# Altium PCB FLY_PCB1.PcbDoc (continued)
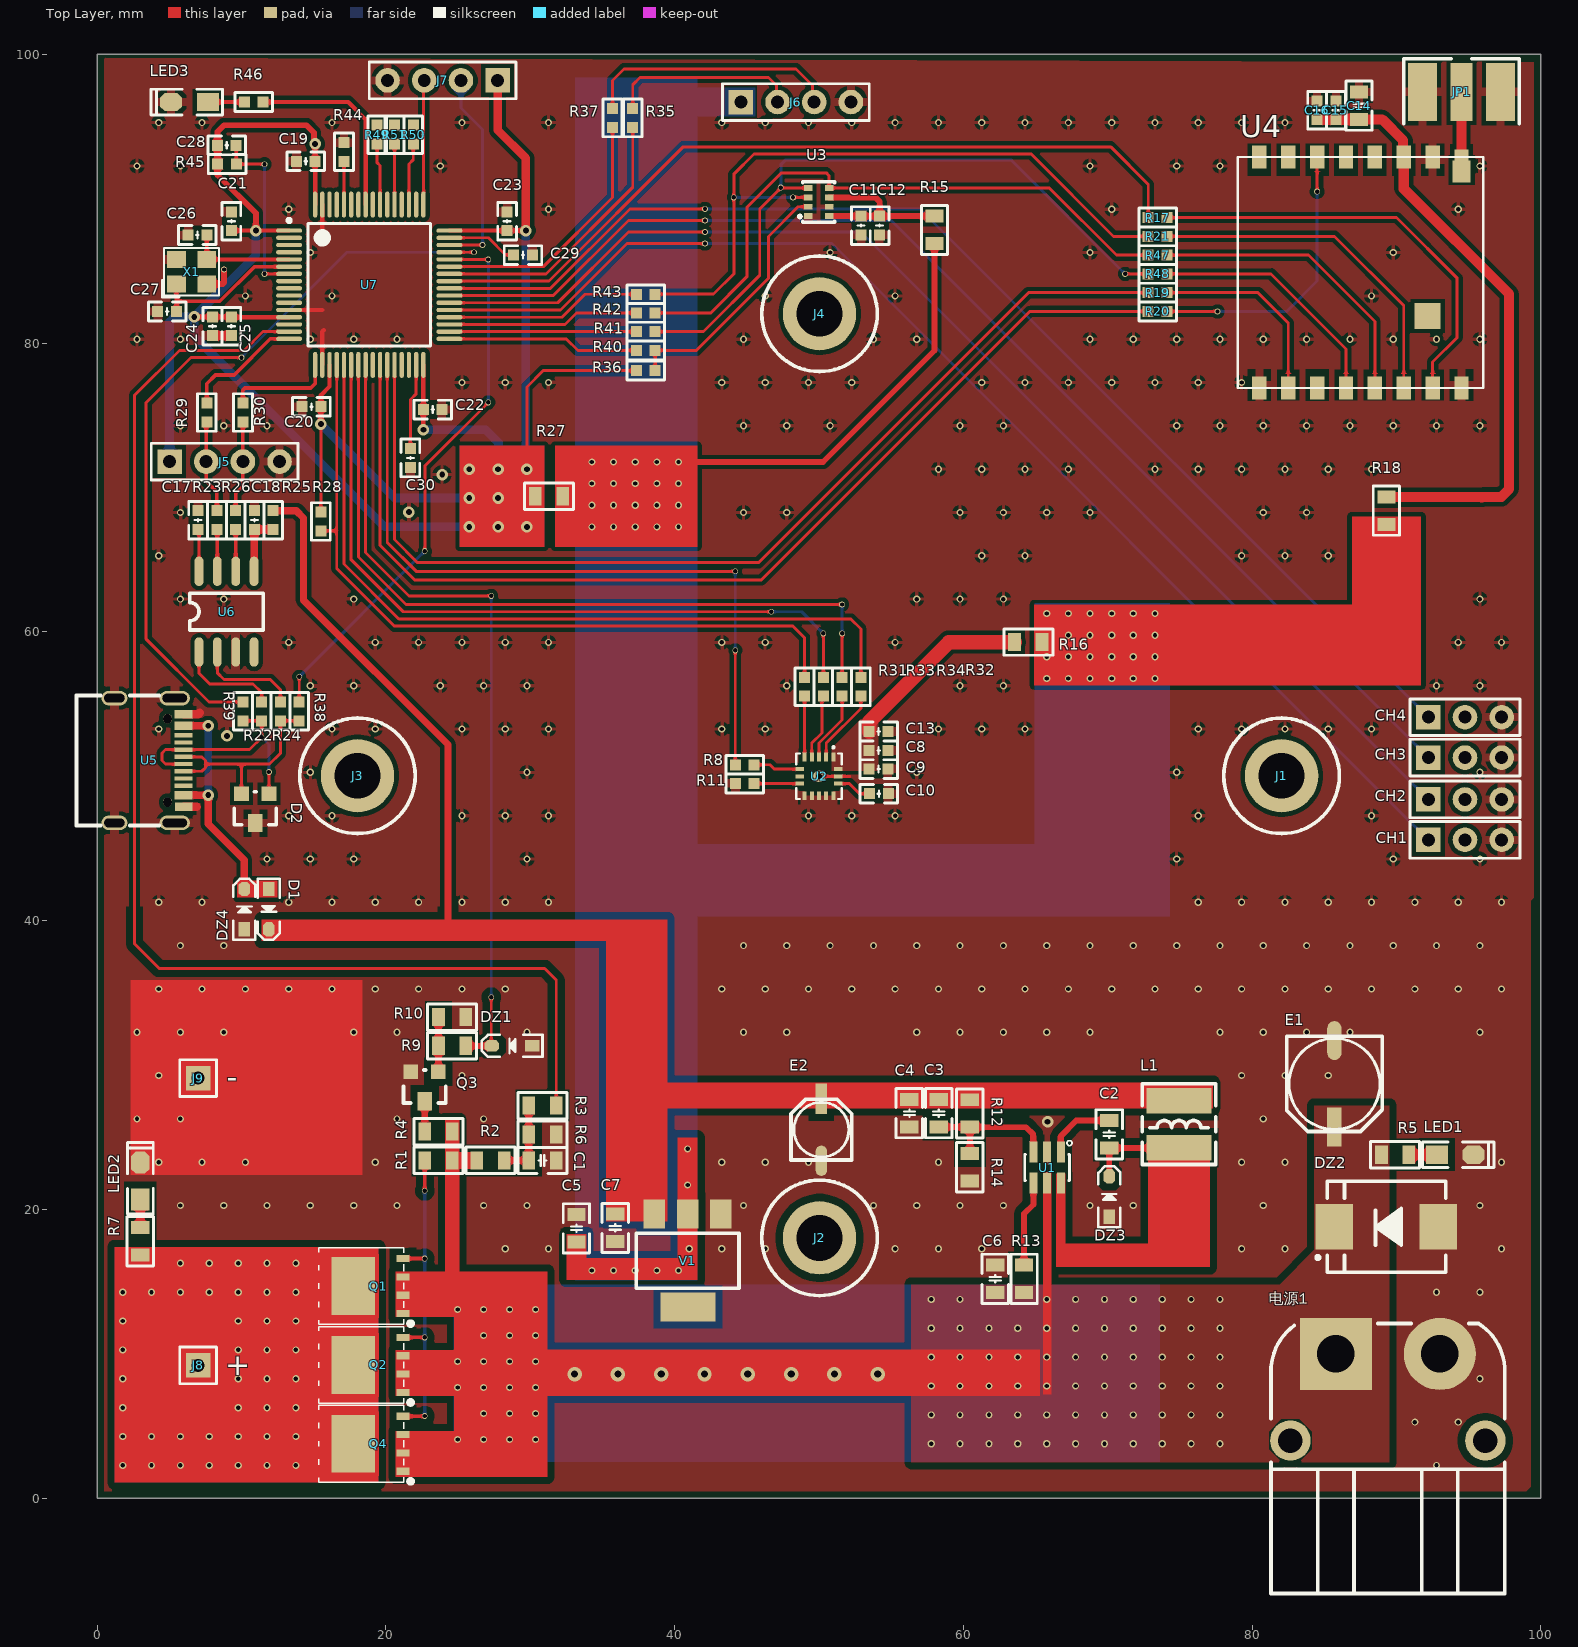
[diagram p0: Top Layer view]
## Footprints (in the part's own frame and the unit in brackets; to place one, negate y for a bottom-side part, rotate by r counter-clockwise, add the part's x,y. Pads: shape width x height; smd on the part's side, far side on the other; paste and mask are expansions set on the pad) (continued)
SMC [mm] "7.1x5.9*2.3mm（长宽高，不包括引脚）"
  rect 2.6x3.15 smd: 1(-3.6,0) 2(3.6,0)
  silkscreen extent -4.1,-3.15 4.87,3.15, body extent -3.95,-2.9 3.95,2.9, height 2.45
SOD-323 [mm] "1.8x1.3X0.9mm（长宽高，不包括引脚）"
  rect 1x0.8 smd: 1(-1.4,0)
  oct 1x0.8 smd: 2(1.4,0)
  silkscreen extent -2.11,-0.76 2.11,0.76, body extent -1.34,-0.63 1.31,0.67, height 1
SOP8 [mil] "（蒜米工坊）"
  oval 80x24 smd: 1(-1,-1) 2(-1,-51) 3(-1,-101) 4(-1,-151) 5(219,-151) 6(219,-101) 7(219,-51) 8(219,-1)
  silkscreen extent 59,-176 159,24, body extent -4,-174 234,24, height 63
SOT23-6 [mm] "SOT-23/SC-74A; 5 Leads; Body 3.1 x 3 mm, inc. leads (LxW max)"
  rect 0.55x1.45 smd: 1(0.95,1.075) 2(0,1.075) 3(-0.95,1.075) 4(-0.95,-1.075) 5(0,-1.075) 6(0.95,-1.075)
  silkscreen extent -1.55,-0.9 1.73,1.88, body extent -1.43,-1.2 1.49,1.14, height 1
SOT-23 [mil]
  rect 40x40 smd: 1(4.88,0.63) 2(79.88,0.63)
  rect 40x50 smd: 3(41.88,80.63)
  silkscreen extent -15,-4 100,86, body extent -15,-11 99,99, height 47
SOT-223 [mil]
  rect 59x79 smd: 1(-88,-130) 2(2.55,-130) 3(93.1,-130)
  rect 150x79 smd: ""(1.88,123.54)
  silkscreen extent -137,-78 143,72, body extent -126,-139 130,135, height 67
STM-LQFP64_N [mm] "Thin QFP, 64-Leads, Body 10x10mm, Pitch 0.5mm, IPC Medium Density"
  oval 1.8x0.3 smd: 1(-5.55,3.75) 2(-5.55,3.25) 3(-5.55,2.75) 4(-5.55,2.25) 5(-5.55,1.75) 6(-5.55,1.25) 7(-5.55,0.75) 8(-5.55,0.25) 9(-5.55,-0.25) 10(-5.55,-0.75) 11(-5.55,-1.25) 12(-5.55,-1.75) 13(-5.55,-2.25) 14(-5.55,-2.75) 15(-5.55,-3.25) 16(-5.55,-3.75) 33(5.55,-3.75) 34(5.55,-3.25) 35(5.55,-2.75) 36(5.55,-2.25) 37(5.55,-1.75) 38(5.55,-1.25) 39(5.55,-0.75) 40(5.55,-0.25) 41(5.55,0.25) 42(5.55,0.75) 43(5.55,1.25) 44(5.55,1.75) 45(5.55,2.25) 46(5.55,2.75) 47(5.55,3.25) 48(5.55,3.75)
  oval 0.3x1.8 smd: 17(-3.75,-5.55) 18(-3.25,-5.55) 19(-2.75,-5.55) 20(-2.25,-5.55) 21(-1.75,-5.55) 22(-1.25,-5.55) 23(-0.75,-5.55) 24(-0.25,-5.55) 25(0.25,-5.55) 26(0.75,-5.55) 27(1.25,-5.55) 28(1.75,-5.55) 29(2.25,-5.55) 30(2.75,-5.55) 31(3.25,-5.55) 32(3.75,-5.55) 49(3.75,5.55) 50(3.25,5.55) 51(2.75,5.55) 52(2.25,5.55) 53(1.75,5.55) 54(1.25,5.55) 55(0.75,5.55) 56(0.25,5.55) 57(-0.25,5.55) 58(-0.75,5.55) 59(-1.25,5.55) 60(-1.75,5.55) 61(-2.25,5.55) 62(-2.75,5.55) 63(-3.25,5.55) 64(-3.75,5.55)
  silkscreen extent -5.67,-4.25 4.25,4.57, body extent -5,-5 5,5, height 1.6
TDSON-8_L5.9-W5.2-P1.27-BL [mm]
  rect 0.5x0.9 smd paste-100 mask+0.05: 1(-1.905,-1.775) 2(-0.635,-1.775) 3(0.635,-1.775) 4(1.905,-1.775)
  rect 4x3 smd paste-100 mask+0.05: 5(0,1.651)
  Top Layer region: -2.205,-0.1 2.205,-0.1 2.205,4.45 1.605,4.45 1.605,3.65 0.935,3.65 0.935,4.45 0.335,4.45 0.335,3.65 -0.335,3.65 -0.335,4.45 -0.935,4.45 -0.935,3.65 -1.605,3.65 -1.605,4.45 -2.205,4.45
  silkscreen extent -2.75,-2.46 2.66,4.06
TX60PW-M20 [mm] "长：18.8mm， 宽：16mm，高：8.6mm"
  round 2.8 hole 1.7: 0(-6.75,-3) 0(6.75,-3)
  rect 5x5 hole 2.6: 1(-3.6,3)
  round 5 hole 2.6: 2(3.6,3)
  silkscreen extent -8.1,-13.6 8.1,5.1, body extent -8,-13.6 8,5.02, height 8.65
USB-C-SMD_G-SWITCH_GT-USB-7010ASV [mm]
  oval 1x2.1 hole 0.6 slot 1.7 at 90 deg paste-2539.97 mask+0.05: 1(-4.32,1.78) 2(4.32,1.78)
  oval 1x1.8 hole 0.6 slot 1.4 at 90 deg paste-2539.97 mask+0.05: 3(4.32,-2.4) 4(-4.32,-2.4)
  rect 0.6x1.24 smd paste-100 mask+0.05: A1B12(-3.2,2.4) A4B9(-2.4,2.4) B1A12(3.2,2.4) B4A9(2.4,2.4)
  rect 0.3x1.24 smd paste-100 mask+0.05: A5(-1.25,2.4) A6(-0.25,2.4) A7(0.25,2.4) A8(1.25,2.4) B5(1.75,2.4) B6(0.75,2.4) B7(-0.75,2.4) B8(-1.75,2.4)
  round 0.65 hole 0.65 unplated paste-2539.97: ""(-2.9,1.28) ""(2.89,1.28)
  silkscreen extent -4.5,-5.03 4.5,0.69

## Part data
C1 C2 C3 C4 C5 C6 C7 C8 C9 C10 C11 C12 C13 C14 C15 C16 C17 C18 C19 C20 C21 C22 C23 C24 C25 C26 C27 C28 C29 C30: library part C, "无极性贴片电容", BOM名称=无极性贴片电容, 学习资源=www.ooocke.com, 版权归属=源创客
CH1 CH2 CH3 CH4 J5 J6 J7 电源1: "Connector"
D1: library part SR540, "肖特基二极管                           电压:40V 电流:1A                 C7420331", BOM名称=整流二极管, 学习资源=www.ooocke.com, 属性="40V  5A", 版权归属=源创客
D2: "单向TVS 5V截止 峰值浪涌电流：4A@8/20us                        C239643", JLCPCB Part Class="Extended Part", Manufacturer=WILLSEMI(韦尔), Contributor=LCSC, Manufacturer Part=ESD5302F-3/TR, spicePre=D, spiceSymbolName=ESD5302F-3/TR, Supplier=LCSC, Supplier Part=C239643
DZ1 DZ4: library part 1N4106, "单向TVS 5V截止 峰值脉冲电流：17A              C502527", BOM名称=12V/0.5W稳压管, 学习资源=www.ooocke.com, 版权归属=源创客
DZ2: library part 1N4106, "TVS 15V截止 峰值浪涌电流：123A                   C438153", BOM名称=12V/0.5W稳压管, 学习资源=www.ooocke.com, 版权归属=源创客
DZ3: library part 1N5256, "电压:40V 电流:1A                                C7420331", BOM名称=30V/0.5W稳压管, 学习资源=www.ooocke.com, 版权归属=源创客
E1: library part C-CS, "JVJ50V47M6x8                        47uF ±20% 50V                            C46550421", BOM名称=直插固态电容, 学习资源=www.ooocke.com, 版权归属=源创客
E2: library part C-CS, "47uF ±20% 10V                           C48970978", BOM名称=直插固态电容, 学习资源=www.ooocke.com, 版权归属=源创客
J8 J9: library part CON1
JP1: library part SMA, "SMA-2.4G射频天线接口", BOM名称=SMA-2.4G射频天线接口, 学习资源=www.ooocke.com, 版权归属=源创客
L1: library part L-CD, "YP0402-6R8M                          C576569", BOM名称=功率电感, 学习资源=www.ooocke.com, 版权归属=源创客
LED1 LED2 LED3: library part LED-SMD, "贴片LED", BOM名称=贴片LED, 学习资源=www.ooocke.com, 版权归属=源创客
Q1 Q2 Q4: JLCPCB Part Class="Extended Part", Manufacturer=MSKSEMI(美森科), Contributor=lcsc, Manufacturer Part=AON6407-MS, spicePre=Q, spiceSymbolName=AON6407-MS, Supplier=LCSC, Supplier Part=C17702953
Q3: library part IRF840, "N沟场效应管", BOM名称=N沟场效应管, 学习资源=www.ooocke.com, 版权归属=源创客
R1 R2 R3 R4 R5 R6 R7 R8 R9 R10 R11 R12 R13 R14 R19 R20 R22 R23 R24 R25 R26 R28 R29 R30 R31 R32 R33 R34 R35 R36 R37 R38 R39 R40 R41 R42 R43 R44 R45 R46 R49 R50 R51: library part R, "贴片电阻", BOM名称=贴片电阻, 学习资源=www.ooocke.com, 版权归属=源创客
R15 R16 R18 R27: library part R, "磁珠", BOM名称=贴片电阻, 学习资源=www.ooocke.com, 版权归属=源创客
R17 R21 R47 R48: library part 普通电阻
U1: "ME3116AM6G / ME3116是一款内部集成了MOSFET的异步整流降压型稳压器,能够在4.75V至40V的输入电压范围内提供高达1A的负载能力。采用PWM控制模式,具有良好的瞬态响应和逐周期限流功能。在轻载条件下自动切换到PFM模式,保证较高的轻载效率。内置软启动和环路补偿,具有过热关断、输入欠压保护、BS欠压保护和短路保护。", JLCPCB Part Class="Extended Part", Manufacturer=MICRONE(南京微盟), Manufacturer Part=ME3116AM6G, spicePre=U, spiceSymbolName=ME3116, Supplier=LCSC, Supplier Part=C97643
U2: "六轴MEMS运动跟踪设备", JLCPCB Part Class="Extended Part", Manufacturer="TDK InvenSense(应美盛)", Contributor=LCSC, link=https://so.szlcsc.com/global.html?k=C97633&ref=editor, Manufacturer Part=ICM-20602, spicePre=U, spiceSymbolName=ICM-20602, Supplier=LCSC, Supplier Part=C97633
U3: JLCPCB Part Class="Extended Part", Manufacturer=Bosch(博世), Manufacturer Part=BMP280, spicePre=U, spiceSymbolName=BMP280, Supplier=LCSC, Supplier Part=C83291
U4: "发射功率:22dBm;接口类型:SPI;接收灵敏度:-140dBm;", JLCPCB Part Class="Extended Part", LCSC Part Name="两件套 LoRa 系列模块 两件套", Manufacturer=Ai-Thinker(安信可), Operating Temperature=-40℃~+85℃, Output Power=22dBm, Receive  Current=4.5mA, Send  Current=140mA, Voltage - Supply=3.3V, AddInBom=yes, Antenna Type=IPEX接口, ConvertToPcb=yes, Datasheet=https://item.szlcsc.com/datasheet/Ra-01S/770920.html, Device=Ra-01S, FootprintName=COMM-SMD_RA-01S, Interface Type=SPI, ManufacturerPart=Ra-01S, ModelId=bfb9ea955ff445c193018999188b6f80聨0819f05c4eef4c71ace90d822a990e87, ModelName=COMM-SMD_L17.0-W16.0-H3.2-RA-01S, ModelTransform=629.92,669.29,0,0,0,0,0.001,0,0, Modulation System=LoRa；OOK；MSK；GFSK；FSK；GMSK, Sensitivity=-140dBm, Supplier=LCSC, Supplier Footprint=SMD,17x16mm, SupplierPart=C724871, Symbol=RA-01S
U5: "Type-C 母 卧贴                板上16pin，有柱无弹，L7.35 CH1.68mm，3A电流                         C2988369", JLCPCB Part Class="Extended Part", Manufacturer=G-Switch(品赞), Contributor=lcsc, Manufacturer Part=GT-USB-7010ASV, spicePre=U, spiceSymbolName=GT-USB-7010ASV, Supplier=LCSC, Supplier Part=C2988369
U6: JLCPCB Part Class="Extended Part", Manufacturer=WCH(南京沁恒), Manufacturer Part=CH340N, Contributor=LCSC, spicePre=U, spiceSymbolName=CH340N_C2977777, Supplier=LCSC, Supplier Part=C2977777
U7: "ARM Cortex-M4 32-bit MCU+FPU, 210 DMIPS, 1024 kB Flash, 192 kB Internal RAM, 51 I/Os, 64-pin LQFP, -40 to 85 degC, Tray", I/Os (High Current)=51, Manufacturer=STMicroelectronics, Operating Frequency(F) (Processor speed) (MHz)=168, Supplier Part Number 1=497-11767-ND, Supply Voltage(Vcc) max (V)=3.6, Supply Voltage(Vcc) min (V)=1.8, ComponentLink1Description="Manufacturer URL", ComponentLink1URL=http://www.st.com/web/en/home.html, ComponentLink2Description=Datasheet, ComponentLink2URL=http://www.st.com/st-web-ui/static/active/en/resource/technical/document/datasheet/DM00037051.pdf, ComponentLink3Description="Package Specification", ComponentLink3URL=http://www.st.com/st-web-ui/static/active/en/resource/technical/document/datasheet/DM00037051.pdf, Core="ARM Cortex-M4", D/A Converter=2x12-bit, DatasheetVersion="Rev. 4", FLASH Size (Prog) (kB)=1024, Internal RAM Size (kB)=192, Mounting Technology="Surface Mount", PackageDescription="64-Pin Low Profile Quad Flat Package, 10 x 10 mm Body, 0.5 mm Pitch", PackageReference=LQFP64, PackageVersion="Rev. 4, 06/2013", Packing=Tray, PartNumber=STM32F405RGT6, Supplier 1=Digi-Key, Supplier 2=Farnell, Supplier 3=Newark, Supplier 4=Mouser, Supplier Part Number 2=2064363, Supplier Part Number 3=73T2329, Supplier Part Number 4=511-STM32F405RGT6
V1: library part AMS1117, "三端稳压芯片", BOM名称=稳压芯片, 学习资源=www.ooocke.com, 版权归属=源创客
X1: library part XTAL-4P, "X32258MOB4SI                        全国产 贴片金属 频点：8MHZ 负载：12PF 常温频差：±10PPM 工作温度：-40~85℃ 型号升级变更为：XL2EL89COI-111YLC-8M                                              C2682775", BOM名称=4脚无源晶振, 学习资源=www.ooocke.com, 版权归属=源创客

## Via types
v1: diameter 0.5, hole 0.3, Top Layer to Bottom Layer, 494 vias
v2: diameter 0.4, hole 0.3, Top Layer to Bottom Layer, 34 vias
v3: diameter 0.8, hole 0.4, Top Layer to Bottom Layer, 21 vias
v4: diameter 1, hole 0.5, Top Layer to Bottom Layer, 8 vias

## Nets (pads, with @x,y where several pads share a name; then routed paths per layer and width w, separated by ;. In a path a pad name is that pad's centre, name@x,y a point inside that pad or via, vN(x,y) a via of type N, cw(c..) or ccw(c..) an arc to the next point about the centre after c; other vN are vias at no path point)
3V3: C5.2 J6.1 R15.1 R16.1 R18.1 R27.1 V1.2 | length 28.3
  Top Layer w0.4: v1(40.271,71.777) 50.277,71.777 58,79.5 R15.1
  other v1: 34.271,15.777 35.771,15.777 37.271,15.777 38.771,15.777 40.271,15.777 41.021,17.277 40.9,21.7 40.9,24.2 65.771,56.777 67.271,56.777 68.771,56.777 70.271,56.777 71.771,56.777 73.271,56.777 65.771,58.277 67.271,58.277 68.771,58.277 70.271,58.277 71.771,58.277 73.271,58.277 67.271,59.777 68.771,59.777 70.271,59.777 71.771,59.777 73.271,59.777 65.771,61.277 67.271,61.277 68.771,61.277 70.271,61.277 71.771,61.277 73.271,61.277 34.271,67.277 35.771,67.277 37.271,67.277 38.771,67.277 40.271,67.277 34.271,68.777 35.771,68.777 37.271,68.777 38.771,68.777 40.271,68.777 34.271,70.277 35.771,70.277 37.271,70.277 38.771,70.277 40.271,70.277 34.271,71.777 35.771,71.777 37.271,71.777 38.771,71.777
3V3_BMP: C11.1 C12.1 R15.2 U3.6 U3.8 | length 11.9
  Top Layer w0.4: U3.8 C11.1 C12.1 ; U3.6 53.9,90.1 54.2,89.8 C12.1 ; R15.2 C12.1
3V3_ICM: C8.2 C9.2 C13.2 R16.2 U2.1 U2.16 | length 13
  Top Layer w1: C13.2 53.477,53.777 59,59.3 R16.2
3V3_Lora: C14.2 C15.2 C16.2 R18.2 U4.3 | length 42.5
  Top Layer w0.7: C16.2 84.511,95.489 87.389,95.489 C14.2 89,95.5 90.458,94.042 90.458,92.742 90.5,92.7 90.5,90.7 97.8,83.4 97.8,69.9 97.254,69.354 95.931,69.354 95.9,69.323 95.887,69.336 89.314,69.336 R18.2
3V3_MCU: C19.2 C20.2 C21.2 C22.2 C23.2 C24.2 C25.2 C28.1 J5.1 J7.1 R27.2 R28.2 R36.2 R45.2 U7.1 U7.13 U7.19 U7.32 U7.48 U7.64 | length 157.5
  Top Layer w0.2: R28.2 v3(15.5,74.4) ; v3@29.7,71.348 v3(29.771,71.277) 29.771,76.971 30.9,78.1 R36.2
  Top Layer w0.3: v3@6.7,81.8 v3(6.723,81.823) C24.2 C25.2 9.323,81.8 U7.13 ; C21.2 v3(11,87.8) U7.1 ; U7.64 C19.2 v3(15.1,93.8) ; v3(15.5,74.4) C20.2 15.5,76.4 16.1,77 U7.19 ; v3(22.6,74) C22.2 U7.32 ; U7.48 C23.2 v3(29.7,87.8)
  Top Layer w0.4: C28.1 8.337,94.637 8.8,95.1 14.5,95.1 15.023,94.577 15.023,93.877 v3(15.1,93.8) ; R45.2@8.344,92.407 C28.1@8.344,93.701 ; R45.2 8.35,91.65 11,89 v3(11,87.8)
  Top Layer w0.6: C28.1 C28.1@8.344,93.701 ; R45.2@8.344,92.407 R45.2 ; J7.1 27.74,94.76 29.7,92.8 v3(29.7,87.8)
  Bottom Layer w0.6: J5.1 5.02,81.471 5.371,81.823 v3(6.723,81.823) ; v3(11,87.8) 11,86.1 v3(6.723,81.823) ; v3(15.5,74.4) 20.623,69.277 v3(25.771,69.277) ; v3(22.6,74) 26.9,74 27.8,73.1 27.8,71.306 v3(27.771,71.277) ; v3@25.748,71.3 v3(25.771,71.277) ; v3(25.771,67.277) 19.923,67.277 6.723,80.477 v3(6.723,81.823) ; v3(29.7,87.8) 29.7,71.348 v3(29.771,71.277)
  other v3: 27.771,67.277 29.771,67.277 27.771,69.277
5V: C3.2 C4.2 C7.2 D1.2 E2.1 L1.2 R12.2 R25.2 V1.3 | length 34.8
  Top Layer w0.5: R25.2 13.8,68.4 14.3,67.9 14.3,62.2 24.3,52.2 24.3,39.5
12V: C6.2 DZ2.2 E1.1 Q1.1 Q1.2 Q1.3 Q2.1 Q2.2 Q2.3 Q4.1 Q4.2 Q4.3 R1.1 R2.2 R4.2 R5.1 R13.1 U1.5 电源1.1
  other v1: 57.771,3.777 59.771,3.777 61.771,3.777 63.771,3.777 65.771,3.777 67.771,3.777 69.771,3.777 71.771,3.777 73.771,3.777 75.771,3.777 77.771,3.777 24.971,4.077 26.771,4.077 28.571,4.077 30.371,4.077 57.771,5.777 59.771,5.777 61.771,5.777 63.771,5.777 65.771,5.777 67.771,5.777 69.771,5.777 71.771,5.777 73.771,5.777 75.771,5.777 77.771,5.777 26.771,5.877 28.571,5.877 30.371,5.877 24.971,7.677 26.771,7.677 28.571,7.677 30.371,7.677 57.771,7.777 59.771,7.777 61.771,7.777 63.771,7.777 65.771,7.777 67.771,7.777 69.771,7.777 71.771,7.777 73.771,7.777 75.771,7.777 77.771,7.777 24.971,9.477 26.771,9.477 28.571,9.477 30.371,9.477 57.771,9.777 59.771,9.777 61.771,9.777 63.771,9.777 65.771,9.777 67.771,9.777 69.771,9.777 71.771,9.777 73.771,9.777 75.771,9.777 77.771,9.777 26.771,11.277 28.571,11.277 30.371,11.277 57.771,11.777 59.771,11.777 61.771,11.777 63.771,11.777 65.771,11.777 67.771,11.777 69.771,11.777 71.771,11.777 73.771,11.777 75.771,11.777 77.771,11.777 24.971,13.077 26.771,13.077 28.571,13.077 30.371,13.077 57.771,13.777 59.771,13.777 65.771,13.777 67.771,13.777 69.771,13.777 71.771,13.777 73.771,13.777 75.771,13.777 77.771,13.777
  other v4: 33.071,8.602 36.071,8.602 39.071,8.602 42.071,8.602 45.071,8.602 48.071,8.602 51.071,8.602 54.071,8.602
12V_ADC: R3.2 U7.15 | length 89.5
  Top Layer w0.2: U7.15 11.5,80.8 10.2,79.5 5.7,79.5 2.6,76.4 2.6,38.4 4.3,36.7 31,36.7 31.8,35.9 31.8,35.7 R3.2
12V_COM: Q1.4 Q2.4 Q4.4 R1.2 | length 22.2
  Top Layer w0.254: Q4.4 22.681,5.681 v2(22.7,5.7) ; Q2.4 v2@22.658,11.142 ; Q1.4 22.697,16.603 v2(22.7,16.6) ; v2(22.7,21.3) R1.2
  Bottom Layer w0.254: v2(22.7,5.7) v2(22.7,11.142) v2(22.7,16.6) v2(22.7,21.3)
AUX: U7.25
BMP_CS: R36.1 R40.2 U3.2 | length 17.8
  Top Layer w0.2: R36.1 R40.2 41.5,79.5 46.5,84.5 46.5,87.4 48.55,89.45 U3.2
BUSY: R19.1 U7.28 | length 72.7
  Top Layer w0.2: U7.28 20.6,66.4 22.2,64.8 45.8,64.8 64.5,83.5 R19.1
DIO1: R20.1 U7.26 | length 74.4
  Top Layer w0.2: U7.26 19.6,66 22,63.6 46,63.6 64.6,82.2 R20.1
DN: D2.2 R24.1 R38.2 U5.A6 U5.B6 | length 14.8
  Top Layer w0.2: U5.B6 7.25,50.35 7.5,50.6 7.5,50.85 ; U5.A6 7.25,51.35 7.5,51.1 7.5,50.85 ; D2.2 10,50.85 ; R24.1 12.7,51.6 11.95,50.85 10,50.85 ; R24.1 R38.2 ; 7.5,50.85 10,50.85
DP: D2.1 R22.1 R39.2 U5.A7 U5.B7 | length 16
  Top Layer w0.2: U5.A7 4.75,50.85 4.5,51.1 4.5,51.6 4.75,51.85 U5.B7 10.55,51.85 v2(11.4,52.7) R22.1 ; R39.2 R22.1 ; v2(11.9,50.3) 11.905,50.295 D2.1
  Bottom Layer w0.2: v2(11.4,52.7) 11.9,52.2 v2(11.9,50.3)
GND: C1.1 C4.1 C5.1 C6.1 C7.1 C8.1 C9.1 C10.1 C11.2 C12.2 C13.1 C14.1 C15.1 C16.1 C17.1 C18.2 C19.1 C20.1 C21.1 C22.1 C23.1 C24.1 C25.1 C26.1 C27.1 C29.1 C30.1 CH1.3 CH2.3 CH3.3 CH4.3 D2.3 DZ1.1 DZ2.1 DZ3.1 DZ4.1 E1.2 E2.2 J5.4 J6.4 J7.4 J9.1 JP1.2 JP1.3 LED1.2 LED2.2 LED3.2 Q3.2 R6.2 R10.1 R11.2 R14.1 R44.2 U1.2 U2.9 U2.10 U2.11 U2.12 U2.13 U2.15 U3.1 U3.7 U4.2 U4.9 U4.16 U5.1 U5.2 U5.3 U5.4 U5.A1B12 U5.B1A12 U6.3 U7.12 U7.18 U7.63 V1.1 X1.2 X1.4 电源1.2 | length 15
  Top Layer w0.2: v3(50,50) U2.15 52.133,50
  Top Layer w0.3: U7.12 15.6,82.3 ; 15.5,87 15.6,87.1 U7.63 ; U7.18 15.6,80.8 15.7,80.9
  Top Layer w0.4: X1.2 8.7,84.1 8.8,84.2 v2(8.8,85.1)
  Top Layer w0.6: U5.B1A12 6.9,47.9 ; U5.A1B12 7,54.3 7.1,54.4 ; C24.1 C25.1
  other v1: 92.771,2.277 91.271,5.277 94.271,5.277 95.771,8.277 92.771,14.277 95.771,14.277 28.271,17.277 31.271,17.277 43.271,17.277 46.271,17.277 55.271,17.277 58.271,17.277 61.271,17.277 79.271,17.277 82.271,17.277 97.271,17.277 5.771,20.277 8.771,20.277 11.771,20.277 14.771,20.277 17.771,20.277 20.771,20.277 26.771,20.277 29.771,20.277 44.771,20.277 53.771,20.277 56.771,20.277 59.771,20.277 62.771,20.277 68.771,20.277 71.771,20.277 80.771,20.277 95.771,20.277 4.271,23.277 7.271,23.277 10.271,23.277 19.271,23.277 43.271,23.277 46.271,23.277 49.271,23.277 58.271,23.277 79.271,23.277 82.271,23.277 97.271,23.277 2.771,26.277 5.771,26.277 20.771,26.277 26.771,26.277 80.771,26.277 4.271,29.277 25.271,29.277 79.271,29.277 82.271,29.277 85.271,29.277 2.771,32.277 5.771,32.277 8.771,32.277 17.771,32.277 20.771,32.277 29.771,32.277 44.771,32.277 47.771,32.277 56.771,32.277 59.771,32.277 62.771,32.277 65.771,32.277 68.771,32.277 77.771,32.277 80.771,32.277 83.771,32.277 86.771,32.277 95.771,32.277 4.271,35.277 7.271,35.277 10.271,35.277 13.271,35.277 16.271,35.277 19.271,35.277 22.271,35.277 25.271,35.277 28.271,35.277 43.271,35.277 46.271,35.277 49.271,35.277 52.271,35.277 55.271,35.277 58.271,35.277 61.271,35.277 64.271,35.277 67.271,35.277 70.271,35.277 73.271,35.277 76.271,35.277 79.271,35.277 82.271,35.277 85.271,35.277 88.271,35.277 91.271,35.277 94.271,35.277 97.271,35.277 5.771,38.277 8.771,38.277 44.771,38.277 47.771,38.277 50.771,38.277 53.771,38.277 56.771,38.277 59.771,38.277 62.771,38.277 65.771,38.277 68.771,38.277 71.771,38.277 74.771,38.277 77.771,38.277 80.771,38.277 83.771,38.277 86.771,38.277 89.771,38.277 92.771,38.277 95.771,38.277 4.271,41.277 7.271,41.277 13.271,41.277 16.271,41.277 19.271,41.277 22.271,41.277 25.271,41.277 28.271,41.277 31.271,41.277 76.271,41.277 79.271,41.277 82.271,41.277 85.271,41.277 88.271,41.277 91.271,41.277 94.271,41.277 97.271,41.277 11.771,44.277 14.771,44.277 17.771,44.277 29.771,44.277 74.771,44.277 89.771,44.277 95.771,44.277 13.271,47.277 16.271,47.277 25.271,47.277 28.271,47.277 31.271,47.277 49.271,47.277 52.271,47.277 55.271,47.277 76.271,47.277 88.271,47.277 14.771,50.277 29.771,50.277 56.771,50.277 74.771,50.277 95.771,50.277 4.271,53.277 16.271,53.277 19.271,53.277 25.271,53.277 28.271,53.277 31.271,53.277 43.271,53.277 46.271,53.277 58.271,53.277 61.271,53.277 64.271,53.277 76.271,53.277 79.271,53.277 82.271,53.277 85.271,53.277 88.271,53.277 14.771,56.277 17.771,56.277 23.771,56.277 26.771,56.277 29.771,56.277 47.771,56.277 59.771,56.277 62.771,56.277 92.771,56.277 95.771,56.277 13.271,59.277 19.271,59.277 22.271,59.277 25.271,59.277 28.271,59.277 31.271,59.277 43.271,59.277 46.271,59.277 55.271,59.277 94.271,59.277 97.271,59.277 5.771,62.277 8.771,62.277 17.771,62.277 56.771,62.277 59.771,62.277 62.771,62.277 95.771,62.277 4.271,65.277 61.271,65.277 64.271,65.277 79.271,65.277 82.271,65.277 85.271,65.277 5.771,68.277 44.771,68.277 47.771,68.277 59.771,68.277 62.771,68.277 65.771,68.277 68.771,68.277 80.771,68.277 83.771,68.277 58.271,71.277 61.271,71.277 64.271,71.277 67.271,71.277 73.271,71.277 76.271,71.277 79.271,71.277 82.271,71.277 85.271,71.277 88.271,71.277 5.771,74.277 8.771,74.277 11.771,74.277 44.771,74.277 47.771,74.277 50.771,74.277 59.771,74.277 62.771,74.277 74.771,74.277 77.771,74.277 80.771,74.277 83.771,74.277 86.771,74.277 89.771,74.277 92.771,74.277 95.771,74.277 25.271,77.277 28.271,77.277 31.271,77.277 43.271,77.277 46.271,77.277 49.271,77.277 52.271,77.277 61.271,77.277 64.271,77.277 67.271,77.277 70.271,77.277 73.271,77.277 76.271,77.277 79.271,77.277 2.771,80.277 5.771,80.277 14.771,80.277 17.771,80.277 20.771,80.277 44.771,80.277 53.771,80.277 56.771,80.277 68.771,80.277 71.771,80.277 74.771,80.277 77.771,80.277 80.771,80.277 83.771,80.277 86.771,80.277 89.771,80.277 92.771,80.277 95.771,80.277 10.271,83.277 16.271,83.277 46.271,83.277 55.271,83.277 88.271,83.277 14.771,86.277 50.771,86.277 68.771,86.277 89.771,86.277 13.271,89.277 31.271,89.277 70.271,89.277 94.271,89.277 2.771,92.277 5.771,92.277 23.771,92.277 68.771,92.277 74.771,92.277 77.771,92.277 95.771,92.277 4.271,95.277 7.271,95.277 16.271,95.277 25.271,95.277 31.271,95.277 43.271,95.277 46.271,95.277 49.271,95.277 52.271,95.277 55.271,95.277 58.271,95.277 61.271,95.277 64.271,95.277 67.271,95.277 70.271,95.277 73.271,95.277 76.271,95.277 79.271,95.277 82.271,95.277
  other v3: 65.834,26.076 9,52.8 21.6,68.3 23.9,70.9
ICM_CS: R31.2 U2.5 | length 4.2
  Top Layer w0.2: U2.5 R31.2
INT: R8.2 U7.27 | length 50.6
  Top Layer w0.2: U7.27 20.1,66.2 22.1,64.2 v2(44.2,64.2) ; R8.2 v2@44.2,58.7
  Bottom Layer w0.2: v2(44.2,64.2) 44.203,64.197 44.203,58.727 v2(44.206,58.724)
NetC1_2: C1.2 R2.1 R3.1 R6.1 | length 5.5
  Top Layer w0.4: R2.1 C1.2 R6.1 R3.1
NetC2_1: C2.1 DZ3.2 L1.1 U1.6 | length 6.8
  Top Layer w0.4: DZ3.2 70.104,23.561 C2.1 74.908,24.261 L1.1
NetC2_2: C2.2 U1.1 | length 5
  Top Layer w0.4: U1.1@66.736,23.935 66.736,25.08 67.817,26.161 C2.2
NetC3_1: C3.1 R12.1 R14.2 U1.3 | length 9.9
  Top Layer w0.4: C3.1 58.301,25.712 60.445,25.712 R12.1 ; R14.2 R12.1 ; U1.3@64.836,23.935 64.836,25.212 64.343,25.705 R12.1
NetC10_2: C10.2 U2.14 | length 2.7
  Top Layer w0.2: U2.14 52.1,49.5 52.8,48.8 C10.2@53.777,48.8
NetC17_2: C17.2 U6.8 | length 2.9
  Top Layer w0.2: C17.2 7.06,67.04 U6.8
NetC18_1: C18.1 R25.1 U6.5 | length 4.2
  Top Layer w0.5: U6.5 10.885,64.215 10.885,67.085 C18.1 R25.1
NetC26_2: C26.2 U7.5 X1.3 | length 7.4
  Top Layer w0.254: C26.2 X1.3 U7.5
NetC27_2: C27.2 U7.6 X1.1 | length 10.7
  Top Layer w0.254: C27.2 5.5,82.9 ; X1.1 5.5,82.9 ; U7.6 10.9,85.3 8.5,82.9 5.5,82.9
NetC28_2: C28.2 R45.1 U7.7 | length 12.6
  Top Layer w0.2: C28.2 9.637,92.413 R45.1 ; R45.1 v2(11.6,92.4) ; v2(11.6,84.8) U7.7
  Bottom Layer w0.2: v2(11.6,84.8) v2(11.6,92.4)
NetC29_2: C29.2 U7.47 | length 4.7
  Top Layer w0.2: U7.47 27.1,87.3 28.286,86.114 28.569,86.114 28.573,86.11 C29.2@28.573,86.1
NetC30_2: C30.2 U7.31 | length 6
  Top Layer w0.2: C30.2 21.7,76.1 22.1,76.5 U7.31
NetD1_1: D1.1 DZ4.2 U5.A4B9 U5.B4A9 | length 15.9
  Top Layer w0.5: U5.B4A9 v3(7.7,48.7) 7.7,46.7 10.2,44.2 DZ4.2 DZ4.2@10.296,42.296 ; U5.A4B9 v3(7.7,53.5)
  Bottom Layer w0.5: v3(7.7,48.7) v3(7.7,53.5)
NetJ7_2: J7.2 U7.46 | length 14.3
  Top Layer w0.2: U7.46 v2(26.7,86.8)
  Bottom Layer w0.2: J7.2 25.2,96.3 26.7,94.8 v2(26.7,86.8)
NetJ7_3: J7.3 U7.49 | length 8.6
  Top Layer w0.2: U7.49 22.619,89.619 22.619,98.159 J7.3
NetJ8_1: J8.1 Q1.5 Q2.5 Q4.5 R7.1
  other v1: 1.771,2.277 3.771,2.277 5.771,2.277 7.771,2.277 9.771,2.277 11.771,2.277 13.771,2.277 1.771,4.277 3.771,4.277 5.771,4.277 7.771,4.277 9.771,4.277 11.771,4.277 13.771,4.277 1.771,6.277 9.771,6.277 11.771,6.277 13.771,6.277 1.771,8.277 9.771,8.277 11.771,8.277 13.771,8.277 1.771,10.277 9.771,10.277 11.771,10.277 13.771,10.277 1.771,12.277 9.771,12.277 11.771,12.277 13.771,12.277 1.771,14.277 3.771,14.277 5.771,14.277 7.771,14.277 9.771,14.277 11.771,14.277 13.771,14.277 5.771,16.277 7.771,16.277 9.771,16.277 11.771,16.277 13.771,16.277
NetJP1_1: JP1.1 U4.1 | length 4.5
  Top Layer w0.7: U4.1 JP1.1
NetLED1_1: LED1.1 R5.2 | length 2
  Top Layer w0.6: R5.2 LED1.1
NetLED2_1: LED2.1 R7.2 | length 2
  Top Layer w0.5: R7.2 LED2.1
NetLED3_1: LED3.1 R46.2 | length 2.5
  Top Layer w0.3: LED3.1 R46.2
NetQ3_1: Q3.1 R9.2 R10.2 | length 3.8
  Top Layer w0.4: Q3.1 R9.2 R10.2
NetQ3_2: Q3.3 R4.1 | length 2.1
  Top Layer w0.4: R4.1 Q3.3
NetR8_1: R8.1 U2.6 | length 3.3
  Top Layer w0.2: R8.1 46.6,50.8 46.9,50.5 U2.6
NetR11_1: R11.1 U2.8 | length 3.2
  Top Layer w0.2: R11.1 U2.8
NetR13_2: R13.2 U1.4 | length 5.9
  Top Layer w0.4: R13.2 64.2,19.7 64.85,20.35 U1.4
NetR17_2: R17.2 U4.15 | length 30.1
  Top Layer w0.2: R17.2 90,88.7 94.2,84.5 94.2,80.4 92.5,78.7 U4.15
NetR19_2: R19.2 U4.10 | length 13.8
  Top Layer w0.2: R19.2 80.4,83.5 82.5,81.4 U4.10
NetR20_2: R20.2 U4.6 | length 19.9
  Top Layer w0.2: R20.2 v2(77.6,82.2) ; v2(84.5,90.5) U4.6
  Bottom Layer w0.2: v2(77.6,82.2) 82.4,82.2 84.5,84.3 v2(84.5,90.5)
NetR21_2: R21.2 U4.14 | length 24.1
  Top Layer w0.2: R21.2 85.7,87.4 90.5,82.6 U4.14
NetR22_2: R22.2 U6.1 | length 7
  Top Layer w0.2: U6.1 7.06,57.14 7.8,56.4 10.8,56.4 11.4,55.8 R22.2
NetR23_1: R23.1 U6.7 | length 2.9
  Top Layer w0.254: R23.1 8.33,67.07 U6.7
NetR24_2: R24.2 U6.2 | length 7.1
  Top Layer w0.2: U6.2 8.33,57.17 8.8,56.7 12,56.7 12.7,56 R24.2
NetR26_1: R26.1 U6.6 | length 2.9
  Top Layer w0.254: U6.6 R26.1
NetR28_1: R28.1 R31.1 U7.20 | length 52.3
  Top Layer w0.2: R28.1 16.6,67 ; U7.20 16.6,67 ; R31.1 49,59.6 48.2,60.4 20.6,60.4 16.6,64.4 16.6,67
NetR29_1: R29.1 U7.16 | length 8.3
  Top Layer w0.254: R29.1 7.6,77.2 8.2,77.8 9.5,77.8 12,80.3 U7.16
NetR30_1: R30.1 U7.17 | length 7.4
  Top Layer w0.254: R30.1 10.1,76.751 10.249,76.9 14.8,76.9 15.1,77.2 U7.17
NetR32_1: R32.1 U7.21 | length 54.8
  Top Layer w0.2: U7.21 17.1,64.7 20.9,60.9 52.2,60.9 52.9,60.2 R32.1
NetR33_1: R33.1 U7.22 | length 51.4
  Top Layer w0.2: U7.22 17.6,65 21.2,61.4 v2(46.7,61.4) ; R33.1 v2(50.3,59.9)
  Bottom Layer w0.2: v2(46.7,61.4) 48.8,61.4 v2(50.3,59.9)
NetR34_1: R34.1 U7.23 | length 53.2
  Top Layer w0.2: U7.23 18.1,65.2 21.4,61.9 v2(51.6,61.9) ; R34.1 v2(51.6,59.9)
  Bottom Layer w0.2: v2(51.6,59.9) v2(51.6,61.9)
NetR35_1: R35.1 U7.42 | length 19.3
  Top Layer w0.2: U7.42 31.1,84.8 37.1,90.8 R35.1
NetR37_1: R37.1 U7.43 | length 18.1
  Top Layer w0.2: U7.43 30.9,85.3 35.7,90.1 R37.1
NetR38_1: R38.1 U7.44 | length 38.8
  Top Layer w0.2: R38.1 v2(14,56.9) ; v2(22.7,65.6) 22.7,71.5 v2(27.1,75.9) ; U7.44 v2(27.1,85.8)
  Bottom Layer w0.2: v2(14,56.9) v2(22.7,65.6) ; v2(27.1,75.9) v2(27.1,85.8)
NetR39_1: R39.1 U7.45 | length 53.6
  Top Layer w0.2: v2(10,79) 6.5,79 3.4,75.9 3.4,59.5 7.75,55.15 R39.1 ; U7.45 v2(26.1,86.3)
  Bottom Layer w0.2: v2(10,79) 17.3,86.3 v2(26.1,86.3)
NetR40_1: R40.1 U7.33 | length 13.3
  Top Layer w0.2: U7.33 32.5,80.3 33.3,79.5 R40.1
NetR41_1: R41.1 U7.34 | length 12.9
  Top Layer w0.2: U7.34 R41.1
NetR42_1: R42.1 U7.35 | length 13.3
  Top Layer w0.2: U7.35 32.4,81.3 33.2,82.1 R42.1
NetR43_1: R43.1 U7.36 | length 13.6
  Top Layer w0.2: U7.36 32.2,81.8 33.789,83.389 R43.1
NetR44_1: R44.1 U7.60 | length 3
  Top Layer w0.2: U7.60 R44.1
NetR46_1: R46.1 U7.57 | length 13.5
  Top Layer w0.3: R46.1 17.4,96.7 18.6,95.5 U7.57
NetR47_2: R47.2 U4.13 | length 20.9
  Top Layer w0.2: R47.2 83.9,86.1 88.5,81.5 U4.13
NetR48_2: R48.2 U4.12 | length 17.3
  Top Layer w0.2: R48.2 81.3,84.8 86.5,79.6 U4.12
NetR49_1: R49.1 U7.55 | length 4.3
  Top Layer w0.2: R49.1 19.4,92.5 19.6,92.3 U7.55
NetR50_1: R50.1 U7.51 | length 4.3
  Top Layer w0.2: U7.51 21.6,92.4 21.9,92.7 R50.1
NetR51_1: R51.1 U7.53 | length 4.2
  Top Layer w0.2: U7.53 R51.1
RX1: J6.3 R37.2 | length 17.8
  Top Layer w0.2: R37.2 35.7,98.2 36.5,99 48.4,99 49.55,97.85 49.55,96.82 J6.3
RX2: J5.3 R26.2 R30.2 | length 6.4
  Top Layer w0.254: R26.2 9.6,69.6 10.1,70.1 J5.3 R30.2
SPI1_MISO: R33.2 U2.4 | length 4.5
  Top Layer w0.2: U2.4 49.5,52.3 50.2,53 50.2,55.45 R33.2
SPI1_MOSI: R34.2 U2.3 | length 4.9
  Top Layer w0.2: U2.3 50,52.3 51.6,53.9 R34.2
SPI1_SCK: R32.2 U2.2 | length 5.2
  Top Layer w0.2: U2.2 50.5,52.3 52.9,54.7 R32.2
SPI2_MISO: R42.2 R47.1 U3.5 | length 43.8
  Top Layer w0.2: R42.2 42.5,82.1 45,84.6 45,89.4 47.4,91.8 50.5,91.8 50.7,91.6 U3.5 65.95,90.75 70.6,86.1 R47.1
SPI2_MOSI: R21.1 R43.2 U3.3 | length 49.7
  Top Layer w0.2: R43.2 38.665,83.4 42.7,83.4 44.1,84.8 v2(44.1,90.1) 44.1,91.7 45.5,93.1 64.7,93.1 70.4,87.4 R21.1 ; v2(48.2,90.1) U3.3
  Bottom Layer w0.2: v2(44.1,90.1) v2(48.2,90.1)
SPI2_SCK: R41.2 R48.1 U3.4 | length 47.9
  Top Layer w0.2: R41.2 42,80.8 45.9,84.7 45.9,89.3 47.35,90.75 U3.4 ; v2(71.2,84.8) R48.1
  Bottom Layer w0.2: v2(47.356,90.774) 47.356,92.356 47.7,92.7 63.3,92.7 v2(71.2,84.8)
SW1: DZ1.2 R9.1 U7.24 | length 56
  Top Layer w0.2: U7.24 18.6,76.032 18.6,65.5 21.6,62.5 v2(27.3,62.5) ; v2(27.3,34.7) 27.3,31.372 DZ1.2
  Top Layer w0.4: R9.1@25.511,31.303 R9.1 DZ1.2
  Bottom Layer w0.2: v2(27.3,34.7) v2(27.3,62.5)
SX1268_CS: R17.1 U7.41 | length 55.6
  Top Layer w0.2: U7.41 31.3,84.3 40.6,93.6 70.2,93.6 72.8,91 R17.1
TIM8_CH1: CH1.1 U7.37 | length 86.8
  Top Layer w0.2: U7.37 32.1,82.3 36.7,86.9 v2(42.1,86.9)
  Bottom Layer w0.2: v2(42.1,86.9) 50.9,86.9 CH1.1
TIM8_CH2: CH2.1 U7.38 | length 86.1
  Top Layer w0.2: U7.38 31.9,82.8 36.8,87.7 v2(42.1,87.7)
  Bottom Layer w0.2: v2(42.1,87.7) 52.9,87.7 CH2.1
TIM8_CH3: CH3.1 U7.39 | length 85.4
  Top Layer w0.2: U7.39 31.6,83.3 36.8,88.5 v2(42.1,88.5)
  Bottom Layer w0.2: v2(42.1,88.5) 55,88.5 CH3.1
TIM8_CH4: CH4.1 U7.40 | length 84.7
  Top Layer w0.2: U7.40 31.4,83.8 36.9,89.3 v2(42.1,89.3)
  Bottom Layer w0.2: v2(42.1,89.3) 57,89.3 CH4.1
TX1: J6.2 R35.2 | length 13.2
  Top Layer w0.2: R35.2 37.1,97.9 37.6,98.4 46.5,98.4 47.05,97.85 47.05,96.78 J6.2
TX2: J5.2 R23.2 R29.2 | length 6.5
  Top Layer w0.254: R29.2 7.56,74.51 J5.2 7.56,70.44 8.3,69.7 R23.2 R23.2@8.26,68.44
pads on no net: CH1.2 CH2.2 CH3.2 CH4.2 J1.1 J2.1 J3.1 J4.1 R49.2 R50.2 R51.2 U2.7 U4.1/1 U4.4 U4.5 U4.7 U4.8 U4.11 U4.17 U5. U5.A5 U5.A8 U5.B5 U5.B8 U6.4 U7.2 U7.3 U7.4 U7.8 U7.9 U7.10 U7.11 U7.14 U7.29 U7.30 U7.50 U7.52 U7.54 U7.56 U7.58 U7.59 U7.61 U7.62 V1. 电源1.0

## Polygon pours and split planes (outlines as drawn)
GND on Top Layer "GND_L01_P007" (solid, pour order 7): 0.5,99.773 0.5,41 98.9,41 99.5,41.6 99.5,99.472
GND on Top Layer "GND_L01_P006" (solid, remove dead copper, pour order 6): 0.5,41.5 0.5,0.5 99,0.5 99.3,0.8 99.3,41.5
3V3_ICM on Top Layer "3V3_ICM_L01_P002" (solid, pour order 2): 54.1,50.4 54.1,53.953 52.9,53.953 50.9,51.953 50.9,50.4
12V on Top Layer "12V_L01_P000" (solid, pour order 0): 56.4,14.8 81.9,14.8 84.3,17.2 84.3,27.2 89.5,27.2 89.5,2.5 56.4,2.5
GND on Bottom Layer "GND_L02_P008" (solid, pour order 8): 0,0 100,0 100,100 0,100
12V on Bottom Layer "12V_L02_P001" (solid, pour order 1): 72.517,14.8 89.5,14.8 89.5,2.5 72.517,2.5

## Other copper
Top Layer:
  region net GND: 18.4,22.4 18.4,35.9 2.3,35.9 2.3,22.4
  rectangle net 5V: 37.9,27 77.3,28.8
  rectangle net 12V: 24.737,1.49 31.2,15.714
  rectangle net NetJ8_1: 1.2,1.1 19.503,17.4
  rectangle net 3V3: 31.7,65.9 41.6,72.9
  rectangle net 3V3: 64.9,56.3 91,61.9
  rectangle net 3V3: 86.9,56.3 91.7,68
  rectangle net 3V3_MCU: 25.1,65.9 31,72.9
  rectangle net NetD1_1: 9.7,41.6 12.5,42.8
  rectangle net 5V: 35.25,19.177 39.5,40.1
  rectangle net 5V: 11.4,38.6 39.3,40.1
  rectangle net 12V: 24.3,22.8 26.7,24
  rectangle net 12V: 24.1,12.6 25.1,26.2
  rectangle net 12V: 65.5,7.2 66.1,22.6
  rectangle net 12V: 24.7,7.1 65.3,10.3
  rectangle net 12V: 20.673,12.539 28.42,15.714
  rectangle net 12V: 20.673,1.49 28.42,4.665
  rectangle net 12V: 20.673,7.078 28.42,10.253
  rectangle net NetC2_1: 72.771,16.002 77.089,25.019
  rectangle net NetC2_1: 66.421,16.002 77.089,17.653
  rectangle net NetC2_1: 66.421,16.002 67.056,22.479
  rectangle net 3V3: 32.5,15.113 33.9,18.288
  rectangle net 3V3: 33.218,15.113 41.6,16.637
  rectangle net 3V3: 40.203,15.113 41.6,25
Bottom Layer:
  rectangle net 12V: 24.7,2.5 73.6,14.8
  rectangle net 3V3: 40.4,95.7 45.6,97.7
  rectangle net 3V3: 33.2,40.3 72.5,45.3
  rectangle net 3V3: 64.909,40.3 74.3,62
  rectangle net 3V3: 33.1,15.1 41.6,98.4
  rectangle net 3V3_MCU: 25.1,65.9 31,72.9
  rectangle net NetJ8_1: 1.2,1.1 19.503,17.4

## Silkscreen, mask and mechanical layers (free items; w line width, h text height)
Top Solder:
  rectangle: 3,26.6 8,31.6
  rectangle: 3,6.7 8,11.7
Bottom Solder:
  rectangle: 14.6,1.1 23,17.4
Mechanical 1:
  the board outline again, w0.254